# Altium PCB CRIB.PcbDoc (part 2 of 3) (continued)
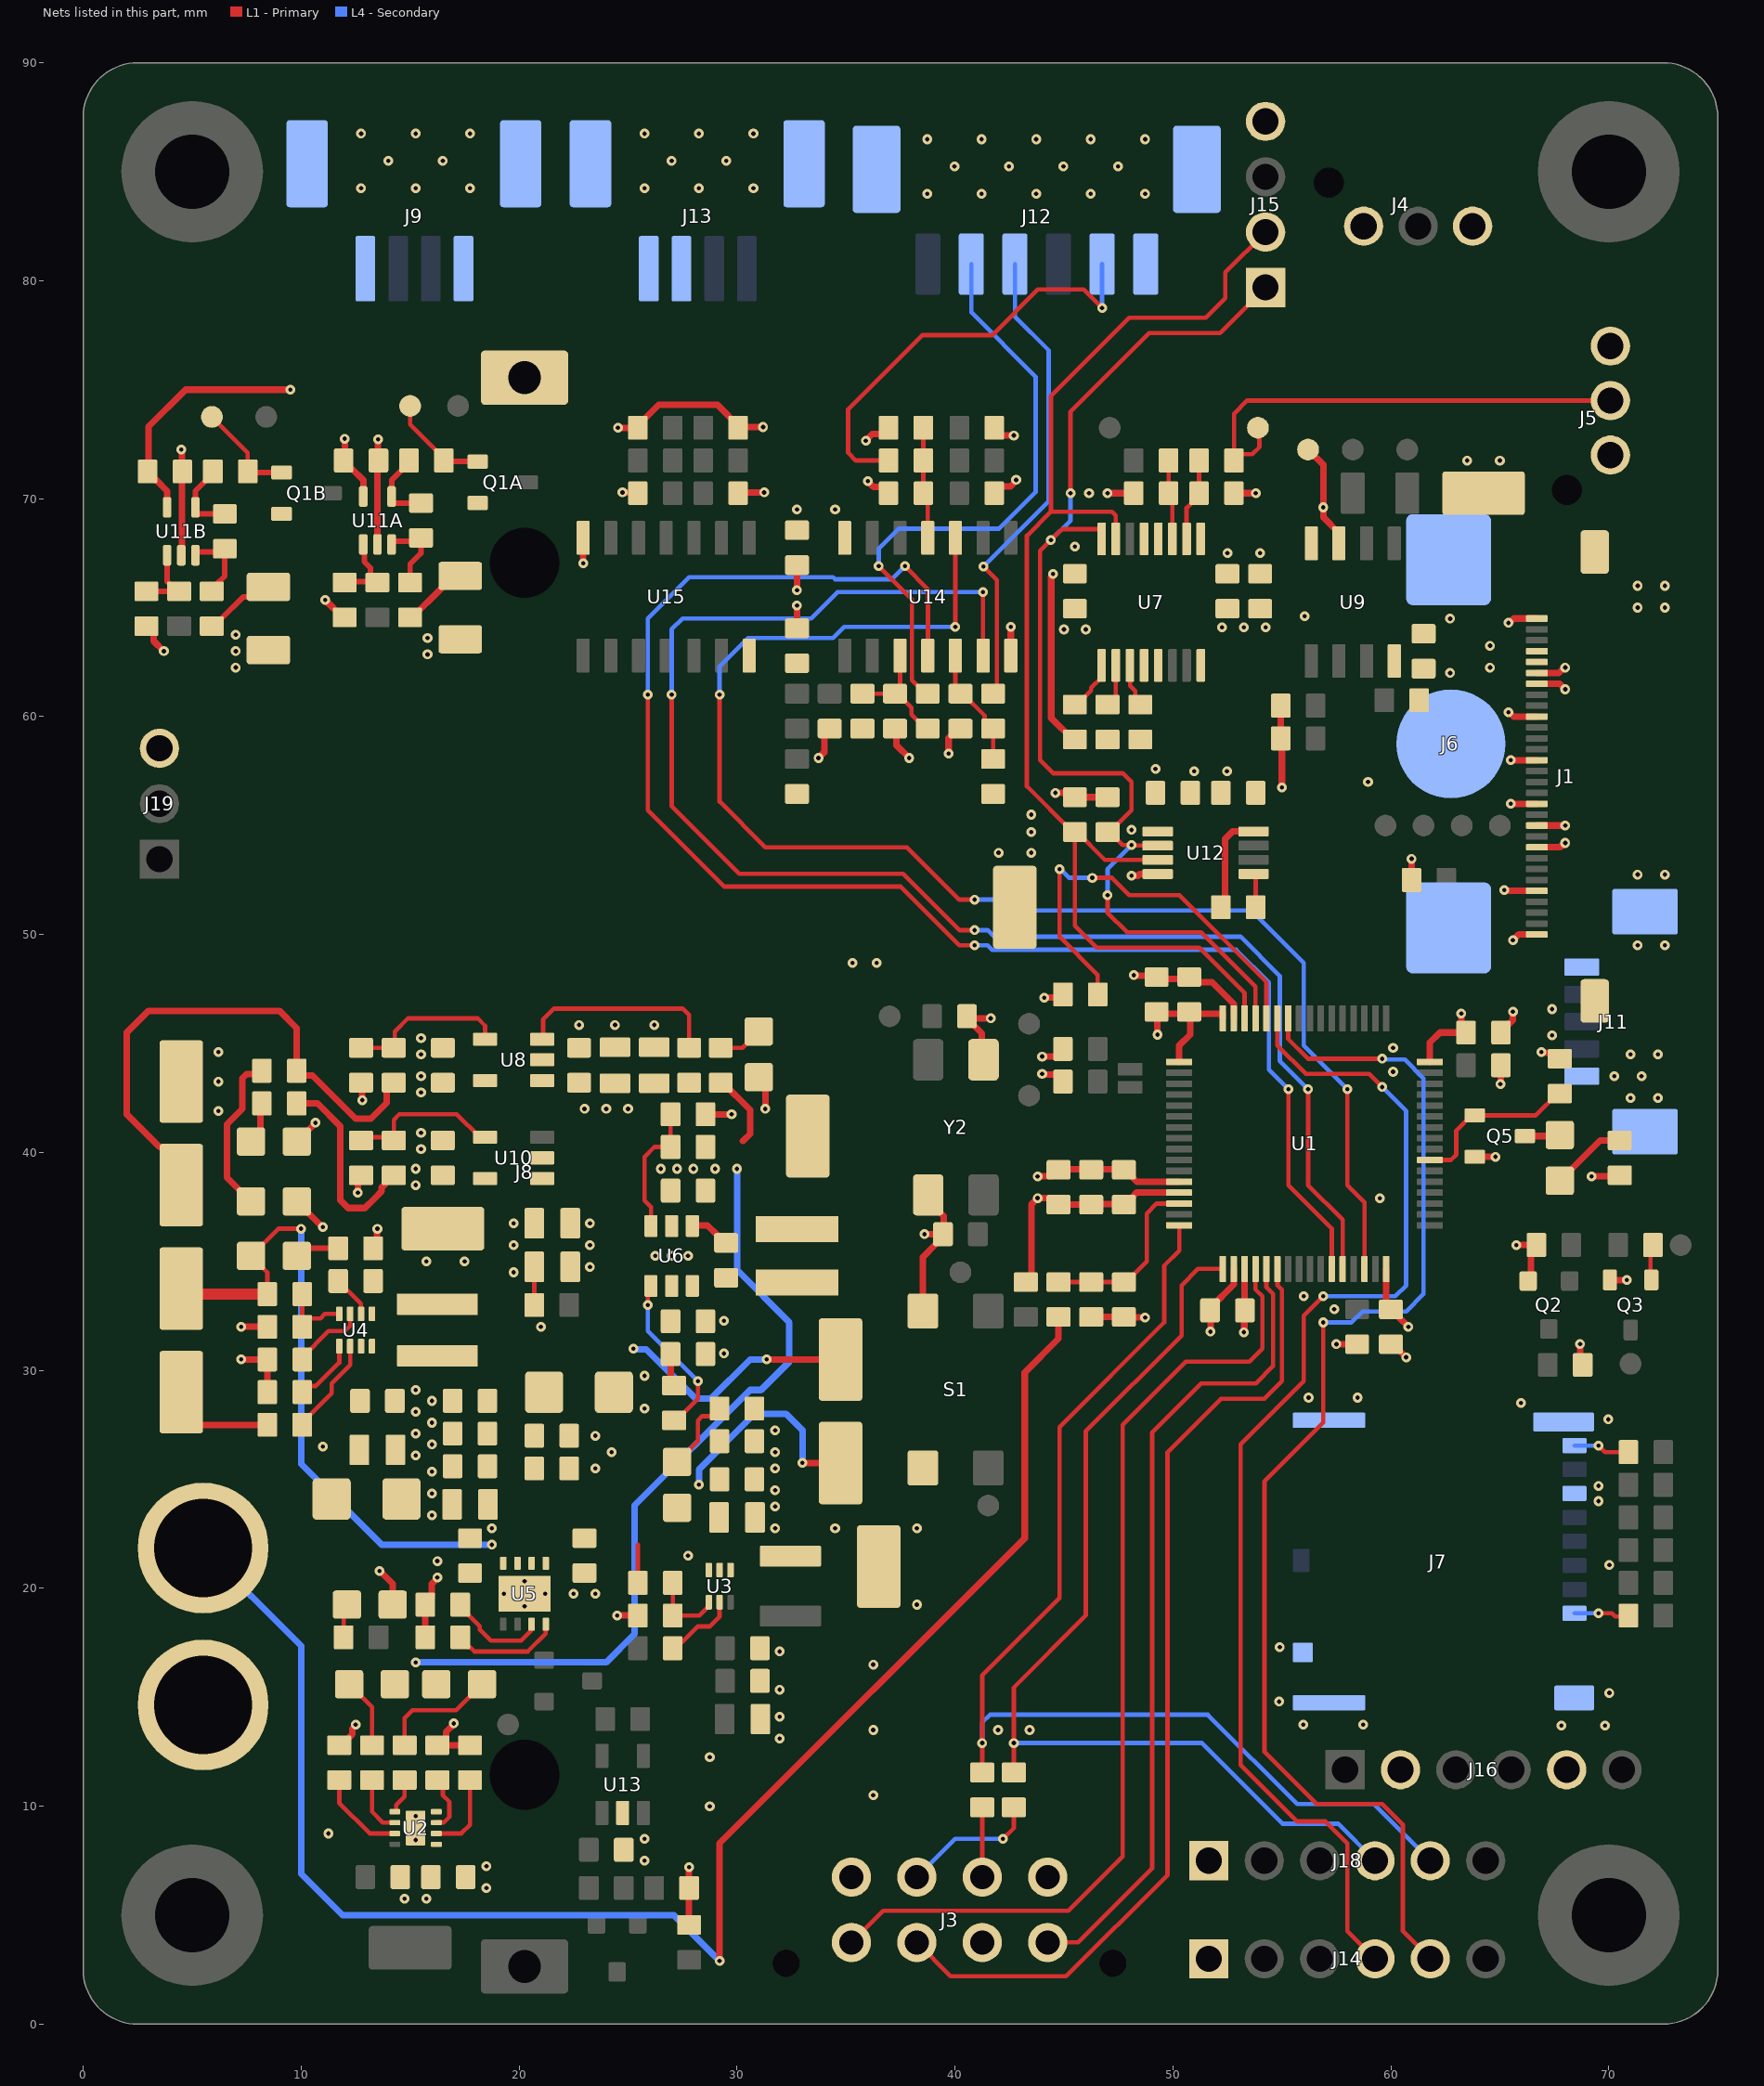
[diagram p4: the nets of this part, all layers, seen from the top]
## Nets (pads, with @x,y where several pads share a name; then routed paths per layer and width w, separated by ;. In a path a pad name is that pad's centre, name@x,y a point inside that pad or via, vN(x,y) a via of type N, cw(c..) or ccw(c..) an arc to the next point about the centre after c; other vN are vias at no path point) (continued)
  L4 - Secondary w0.3: v1(15.25,16.6) 24,16.6 25.3,17.9 25.3,23.8 30.6,29.1 31.1,29.1 32.4,30.4 32.4,32.2 30,34.6 v1(30,39.25)
  other v1: 28,39.25 29,39.25 43.5,54.7 43.5,55.5 49.2,57.6 32.75,69.5 34.5,69.5
3V3_BOOT: C26.1 U6.1 | length 1.9
  L1 - Primary w0.3: U6.1@27.85,36.65 28.65,36.65 29.1,36.2 29.1,36.15 29.175,36.075 C26.1@29.5,36.075
3V3_FB: R63.1 R64.2 U6.3 | length 6.2
  L1 - Primary w0.2: U6.3@26.05,36.625 26.05,37.5 25.75,37.8 25.75,39.8 26.2,40.25 R63.1@26.95,40.25 R64.2@26.95,41.75
3V3_SW: C26.2 L3.1 U6.6
3V3L: C37.2 C40.2 C58.2 R34.2 R38.2 R47.1 R50.2 R51.2 R57.1 TP7.1 U9.8 U10.5 U12.8 | length 17.6
  L1 - Primary w0.3: R47.1@9.8,42.25 10.75,42.25 11.8,41.2 11.8,37.812 12.162,37.45 12.927,37.45 13.346,37.869 13.346,37.872 13.7,38.226 13.7,38.4 13.85,38.55 13.85,38.65 14.15,38.95 R38.2@14.25,38.95 ; R57.1@52.2,51.25 52.4,51.45 52.4,54.4 52.725,54.725 U12.8@53.7,54.725 ; R51.2@54.95,60.5 R50.2@54.95,59 55,58.95 v1(55,56.75)
  other v1: 15.25,38.5 15.25,39.25 6.2,41.9 6.2,43.25 6.2,44.6 58.95,57 62.717,62
3V3L_FB: R37.2 R38.1 U10.4 | length 7
  L1 - Primary w0.2: R37.2@12.75,40.7 14.25,40.7 14.25,41.5 14.5,41.75 17.14,41.75 18.19,40.7 U10.4@18.44,40.7
5V0: C8.2 C9.2 C10.2 C20.2 LED4.1 R8.2 TP1.1 U3.6 U5.6 | length 11.8
  L1 - Primary w0.2: R8.2@25.45,20.25 25.45,22
  L1 - Primary w0.3: v1(33,25.75) TP1.1@34.75,25.75
  L4 - Secondary w0.3: v1(28.25,24.75) 28.25,25.45 30.8,28 32.25,28 33,27.25 v1(33,25.75)
5V0_FB: R8.1 R9.2 U3.1 | length 3.5
  L1 - Primary w0.2: R8.1@27.05,20.25 R9.2@27.05,18.75 28.275,18.75 28.7,19.175 U3.1@28.7,19.36
5V0_SW: L1.2 U3.5
5V0L: C29.2 C30.2 C36.2 J4.3 J5.3 R31.2 R48.2 TP6.1 U7.9 U7.12 U8.5 | length 25
  L1 - Primary w0.3: TP6.1@4.5,38.5 4.5,39.4 3.65,40.25 3.5,40.25 2,41.75 2,45.5 3,46.5 9,46.5 9.8,45.7 R48.2@9.8,43.75 10.024,43.526 10.524,43.526 12.5,41.55 13.2,41.55 13.917,42.267 13.917,42.9 14.217,43.2 R31.2@14.25,43.2
  other v1: 15.5,42.75 15.5,43.5 52.5,67.5 54,67.5
5V0L_FB: R31.1 R32.2 U8.4 | length 7.4
  L1 - Primary w0.2: R32.2@12.75,44.8 R31.1@14.25,44.8 14.3,44.85 14.3,45.55 14.9,46.15 18.1,46.15 18.44,45.81 U8.4@18.44,45.2
5V4: C1.2 C12.2 C13.2 C14.2 C15.2 C19.2 C38.2 C39.2 L2.2 LED3.1 LED5.1 R10.2 R35.1 TP2.1 U2.1 U5.8 U10.1 | length 33.6
  L1 - Primary w0.2: R10.2@8.45,33.5 8.45,34.5 LED3.1@7.7,35.25 8.95,36.5 v1(10,36.5) ; R35.1@20.7,33 C38.2@20.7,34.75
  L1 - Primary w0.3: v1(13.6,20.8) 14.2,20.2 LED5.1@14.2,19.25
  L1 - Primary w0.5: TP2.1@4.5,33.75 4.75,33.5 R10.2@8.45,33.5
  L4 - Secondary w0.3: v1(10,36.5) 10,25.7 13.7,22 v1(18.75,22)
  other v1: 18.5,6.25 18.5,7.25 18.75,22.75 19.75,34.5 19.75,35.75 19.75,36.75
5V4_BST: C7.2 U4.6 | length 2
  L1 - Primary w0.2: C7.2@11.7,34.1 11.7,34 12.05,33.65 12.15,33.65 12.74,33.06 12.74,32.6 U4.6@12.75,32.59
5V4_FB: R10.1 R11.2 U4.8 | length 3.5
  L1 - Primary w0.2: R10.1@10.05,33.5 R11.2@10.05,32 10.05,32.032 10.4,32.382 10.882,32.382 11.09,32.59 U4.8@11.75,32.59
5V4_RT: R13.2 U4.1 | length 3
  L1 - Primary w0.2: R13.2@10.05,29 10.333,29.283 10.683,29.283 11.75,30.35 U4.1@11.75,31.11
5V4_SS: C11.2 U4.7 | length 3.4
  L1 - Primary w0.2: C11.2@10.05,30.5 10.05,30.6 11.25,31.8 12,31.8 12.25,32.05 U4.7@12.25,32.59
5V4_SW: C7.1 L2.1 U4.5
5V_SYS: C21.2 C22.2 C23.2 C24.2 C25.2 C33.2 C34.2 C35.2 J1.26 J1.27 R22.1 R30.1 TP5.1 U5.7 U6.5 U8.1 | length 12.7
  L1 - Primary w0.3: C24.2@26.95,30.75 26.95,29.463 R22.1@27.113,29.3 ; v1(31.359,30.5) TP5.1@34.75,30.5
  L4 - Secondary w0.3: v1(25.25,31) 25.279,30.971 25.829,30.971 28.1,28.7 28.8,28.7 30.6,30.5 v1(31.359,30.5)
  other v1: 23,42 24,42 25,42 64.55,62.25 64.55,63.25
12V: C16.2 C17.2 C18.2 J2.1 J9.1 R12.1 R39.2 TP8.1 U4.3 | length 78.9
  L1 - Primary w0.3: TP8.1@4.25,29 4.25,28.35 5.1,27.5 R12.1@8.45,27.5 ; v1(29.2,2.9) 29.2,8.3 43.2,22.3 43.2,29.9 44.75,31.45 R39.2@44.75,32.45
  L4 - Secondary w0.3: J2.1@5.5,21.85 10,17.35 10,6.9 11.9,5 27.1,5 v1(29.2,2.9)
12V_DETECT: C59.2 R39.1 R40.2 U1.14 | length 8.2
  L1 - Primary w0.2: R39.1@44.75,34.05 C59.2@47.75,34.05 ; C59.2@47.85,34.05 48.8,35 48.8,37.2 49.254,37.654 U1.14@50.288,37.654
AIN0: C31.2 R28.2 U7.11 | length 3.7
  L1 - Primary w0.2: R28.2@49.8,71.75 C31.2@49.8,70.25 49.976,70.074 U7.11@49.976,68.15
AIN1: C32.2 R29.2 U7.10 | length 3.8
  L1 - Primary w0.2: U7.10@50.626,68.15 50.626,69.576 51.2,70.15 C32.2@51.2,70.25 R29.2@51.2,71.75
BC-MPR_UART.RX: J18.4 R17.1 U1.17 | length 46.5
  L1 - Primary w0.2: R17.1@42.7,11.55 42.7,15.45 46,18.75 46,27.2 50.4,31.6 50.4,33.9 51.154,34.654 U1.17@52.288,34.654
  L4 - Secondary w0.2: v1(42.7,12.9) 51.33,12.9 55.03,9.2 57.57,9.2 J18.4@59.27,7.5
BC-MPR_UART.TX: J18.5 R16.1 U1.16 | length 53.3
  L1 - Primary w0.2: R16.1@41.25,11.55 v1(41.25,12.9) 41.25,16 44.8,19.55 44.8,27.4 49.6,32.2 49.6,34.8 50.288,35.488 U1.16@50.288,36.654
  L4 - Secondary w0.2: v1(41.25,12.9) 41.25,13.85 41.6,14.2 51.6,14.2 55.7,10.1 59.21,10.1 J18.5@61.81,7.5
BOOT0: R53.2 U1.60 | length 19.8
  L1 - Primary w0.2: v1(44.8,53) 44.8,49.9 46.55,48.15 R53.2@46.55,47.25 ; v1(46.3,52.6) 47.2,52.6 48,51.8 50.3,51.8 54.288,47.812 U1.60@54.288,46.154
  L4 - Secondary w0.2: v1(44.8,53) 44.838,53 45.238,52.6 v1(46.3,52.6)
CENTRE_BTN: J12.5 R58A.1 | length 20.3
  L1 - Primary w0.2: R58A.1@36.95,71.75 35.45,71.75 35.1,72.1 35.1,74.1 38.5,77.5 41.7,77.5 43.8,79.6 45.9,79.6 v1(46.75,78.75)
  L4 - Secondary w0.2: v1(46.75,78.75) J12.5@46.75,80.761
CENTRE_BTN_DB: C60A.2 R58A.2 R62A.1 U14.11 | length 5.1
  L1 - Primary w0.2: R62A.1@38.55,73.25 C60A.2@38.55,70.25 38.75,70.05 U14.11@38.75,68.2
CENTRE_BTN_TRIG: U1.30 U14.10 | length 66.9
  L1 - Primary w0.2: v1(29.2,61) 29.2,56.1 31.3,54 37.8,54 40.2,51.6 v1(40.9,51.6) ; v1(40.013,64.11) U14.10@40.013,68.2 ; v1(58,42.9) 58,38.5 58.788,37.712 U1.30@58.788,34.654
  L4 - Secondary w0.2: v1(29.2,61) 29.2,62.3 30.5,63.6 34.4,63.6 34.91,64.11 v1(40.013,64.11) ; v1(40.9,51.6) 41.8,51.6 42.3,51.1 53.6,51.1 56,48.7 56,44.9 v1(58,42.9)
CHG_ISET: R2.2 U2.2 | length 3.8
  L1 - Primary w0.2: U2.2@16.2,8.75 17.35,8.75 17.75,9.15 R2.2@17.75,11.2
CHG_PG_n: R5.1 U2.6 | length 2.7
  L1 - Primary w0.2: R5.1@13.25,11.2 13.25,9.75 13.75,9.25 U2.6@14.3,9.25
CHG_STAT: R4.1 U2.5 | length 1.7
  L1 - Primary w0.2: U2.5@14.3,9.75 14.333,9.75 14.358,9.775 14.358,10.058 14.75,10.45 R4.1@14.75,11.2
CHG_TS: R1.2 U2.3 | length 2.6
  L1 - Primary w0.2: U2.3@16.2,9.25 16.211,9.26 16.56,9.26 16.8,9.5 16.8,10.2 16.5,10.5 16.5,10.95 R1.2@16.25,11.2
CHG_VSET: R3.2 U2.7 | length 4.2
  L1 - Primary w0.2: R3.2@11.75,11.2 11.75,10.15 13.15,8.75 U2.7@14.3,8.75
CRIB_DEBUG_RX: J14.4 U1.59 | length 55.7
  L1 - Primary w0.2: U1.59@54.788,46.154 54.788,44.912 56.1,43.6 59,43.6 v1(59.6,43) ; v1(56.9,33.4) 56,32.5 56,29.5 53.1,26.6 53.1,11.9 55.7,9.3 57,9.3 58,8.3 58,4.27 J14.4@59.27,3
  L4 - Secondary w0.2: v1(56.9,33.4) 60.2,33.4 60.7,33.9 60.7,41.9 v1(59.6,43)
CRIB_DEBUG_TX: J14.5 U1.58 | length 58.2
  L1 - Primary w0.2: U1.58@55.288,46.154 55.288,45.212 56.2,44.3 v1(59.6,44.3) ; v1(56.9,32.2) 56.9,27.6 54.2,24.9 54.2,12.5 56.6,10.1 59.6,10.1 60.55,9.15 60.55,4.26 J14.5@61.81,3
  L4 - Secondary w0.2: v1(56.9,32.2) 58.2,32.2 58.7,32.7 60.7,32.7 61.5,33.5 61.5,43.4 60.635,44.265 59.635,44.265 v1(59.6,44.3)
DOWN_BTN: J12.2 R58B.1 | length 27.6
  L1 - Primary w0.2: v1(36.5,66.9) 38.03,65.37 38.03,61.67 38.65,61.05 R58B.1@38.75,61.05
  L4 - Secondary w0.2: v1(36.5,66.9) 36.5,67.7 37.424,68.624 42.024,68.624 43.7,70.3 43.7,75.6 40.75,78.55 J12.2@40.75,80.761
DOWN_BTN_DB: C60B.2 R58B.2 R62B.1 U14.3 | length 5.7
  L1 - Primary w0.2: R62B.1@35.75,61.05 C60B.2@37.25,61.05 ; U14.3@37.48,62.8 37.48,61.28 C60B.2@37.25,61.05 ; R58B.2@38.75,59.45 38.65,59.45 38,60.1 38,60.4 37.35,61.05 C60B.2@37.25,61.05
DOWN_BTN_TRIG: U1.27 U14.4 | length 72.3
  L1 - Primary w0.2: v1(25.9,61) 25.9,55.7 29.4,52.2 37.5,52.2 40.2,49.5 v1(40.9,49.5) ; v1(37.7,66.9) 38.757,65.843 U14.4@38.757,62.8 ; v1(55.3,42.9) 55.3,38.5 57.288,36.512 U1.27@57.288,34.654
  L4 - Secondary w0.2: v1(25.9,61) 25.9,64.5 27.8,66.4 34.4,66.4 34.5,66.3 37.1,66.3 v1(37.7,66.9) ; v1(40.9,49.5) 41.5,49.5 41.7,49.3 52.9,49.3 54.4,47.8 54.4,43.8 v1(55.3,42.9)
GND: C1.1 C2.1 C4.1 C5.1 C6.1 C8.1 C9.1 C10.1 C11.1 C12.1 C13.1 C14.1 C15.1 C16.1 C17.1 C18.1 C19.1 C20.1 C21.1 C22.1 C23.1 C24.1 C25.1 C27.1 C28.1 C29.1 C30.1 C31.1 C32.1 C33.1 C34.1 C35.1 C36.1 C37.1 C38.1 C39.1 C40.1 C41.1 C43.1 C44.1 C45.1 C46.1 C47.1 C48.1 C49.1 C50.1 C51.1 C52.1 C53.1 C54.1 C55A.1 C55B.1 C57.1 C58.1 C59.1 C60A.1 C60B.1 C60C.1 C60D.1 C60E.1 C60F.1 C60G.1 C61.1 C62.1 C63.1 C64.1 C65.1 J1.0 J1.1 J1.5 J1.9 J1.11 J1.13 J1.17 J1.21 J1.24 J1.25 J1.30 J2.2 J3.1 J3.4 J3.6 J4.1 J5.1 J6.2 J7.6 J7.10 J8.2 J9.0 J9.4 J11.0 J11.5 J12.0 J12.6 J13.0 J13.1 J13.2 J14.1 J15.4 J16.2 J16.5 J18.1 J19.3 LED7.2 LED8.2 LED9.2 Q3.2 Q5.2 R1.1 R2.1 R3.1 R9.1 R11.1 R13.1 R14.1 R15.1 R18.1 R19.1 R32.1 R37.1 R40.1 R42A.1 R42B.1 R45A.1 R45B.1 R53.1 R55.1 R61.1 R64.1 R65.1 S1.3 S1.4 TP24.1 TP25.1 TP26.1 TP27.1 U1.12 U1.18 U1.63 U2.4 U2.9 U3.4 U4.4 U5.5 U5.9 U6.2 U7.4 U7.5 U7.8 U8.2 U9.4 U10.2 U11A.2 U11B.2 U12.4 U13.2 U14.7 U15.7 Y2.2 Y2.4 | length 105.8
  L1 - Primary w0.3: R42B.1@2.9,64.15 2.923,64.15 3.223,63.85 3.223,63.477 v1(3.7,63) ; U11B.2@4.5,67.4 4.525,67.425 4.525,71.225 C55B.1@4.55,71.25 4.5,71.3 4.525,71.325 4.525,72.225 v1(4.5,72.25) ; v1(7.25,30.5) C11.1@8.45,30.5 R13.1@8.45,29 ; v1(7.25,32) R11.1@8.45,32 ; LED9.2@9.8,37.75 10.971,36.579 v1(10.997,36.579) ; LED8.2@9.8,40.5 v1(10.661,41.361) ; v1(11.1,65.35) 11.9,64.55 R42A.1@12,64.55 ; R3.1@12,12.8 12,12.95 12.348,13.298 12.348,13.558 12.5,13.709 v1(12.5,13.75) ; v1(12.6,38.15) 12.6,38.8 R37.1@12.75,38.95 ; R32.1@12.75,43.2 12.8,43.15 v1(12.8,42.4) ; R14.1@13.3,35.6 13.471,35.771 13.471,36.471 v1(13.5,36.5) ; U11A.2@13.5,67.9 13.5,71.7 C55A.1@13.55,71.75 13.5,71.8 13.525,71.825 v1(13.525,72.725) v1@13.5,72.75 ; R18.1@15.7,17.75 R19.1@15.7,19.25 16,19.55 16,20.209 16.25,20.459 v1(16.25,20.5) ; R1.1@16.25,12.8 R1.1@16.35,12.8 ; v1(17,13.8) 17,13.759 16.65,13.409 16.65,13.1 R1.1@16.35,12.8 ; R2.1@18,12.8 R2.1@17.75,12.8 R1.1@16.35,12.8 ; U15.7@22.935,68.234 22.94,68.229 22.94,67.039 v1(22.945,67.034) ; v1(24.5,18.75) R9.1@25.45,18.75 ; v1(24.745,70.284) C60D.1@25.695,70.284 ; R65.1@27.8,4.55 R61.1@27.8,6.25 v1(27.8,7.2) ; R64.1@28.55,41.75 v1(29.75,41.75) ; C60G.1@30.295,70.284 v1(31.245,70.284) ; LED7.2@31,43.45 31.3,43.15 v1(31.3,42) ; C62.1@32.75,64.05 v1(32.75,65.1) ; v1(32.75,65.8) C61.1@32.75,66.95 ; v1(33.735,58.1) 34,58.365 34,59.15 34.31,59.46 C60F.1@34.357,59.46 ; v1(36,70.8) 36.258,70.542 36.758,70.542 C60A.1@36.94,70.36 ; C60B.1@37.25,59.45 37.315,59.385 37.315,58.685 v1(37.9,58.1) ; S1.4@38.526,32.72 38.526,35.192 39.15,35.816 39.15,35.85 39.454,36.154 C52.1@39.488,36.154 ; v1(38.6,36.25) 39.393,36.25 C52.1@39.488,36.154 ; Y2.4@38.768,38.054 38.768,37.8 39.488,37.08 C52.1@39.488,36.154 ; v1(39.707,58.3) 39.707,59.007 40.16,59.46 C60C.1@40.257,59.46 ; Y2.2@41.308,44.254 41.224,44.339 41.224,45.476 40.588,46.112 40.588,46.154 v1@41.538,46.154 ; C60E.1@41.807,70.36 42.011,70.563 42.556,70.563 42.778,70.786 42.778,70.831 v1(42.807,70.86) ; v1(42.557,64.11) 42.562,64.105 42.562,62.915 U14.7@42.567,62.91 ; v1(43.788,38.904) 44.45,38.904 C48.1@44.75,39.204 ; v1(44,43.6) 44.02,43.58 44.65,43.58 44.988,43.242 C54.1@44.988,43.154 ; v1(44,44.4) 44.734,44.4 C53.1@44.988,44.654 ; v1(44.1,47.1) 44.8,47.1 R53.1@44.95,47.25 ; C48.1@44.75,39.229 47.513,39.229 47.538,39.254 47.8,39.254 48.15,38.904 48.15,38.85 48.346,38.654 U1.12@50.288,38.654 ; R40.1@46.25,32.45 C59.1@47.75,32.45 47.788,32.45 47.813,32.425 v1(48.725,32.425) ; v1(47,70.25) 47.95,70.25 C31.1@48.2,70.5 ; v1(48.1,52.7) 48.4,52.7 48.475,52.775 U12.4@49.3,52.775 ; v1(48.2,48.135) 48.229,48.106 49.136,48.106 49.288,47.954 50.788,47.954 50.937,47.805 51.788,47.805 52.788,46.806 U1.63@52.788,46.154 ; v1(51.725,31.775) 51.725,32.891 51.741,32.891 52.788,33.938 U1.18@52.788,34.654 ; C32.1@52.8,70.25 v1(53.8,70.25) 53.809,70.25 v1@53.859,70.2 ; v1(57.5,31.2) C64.1@58.45,31.2 ; C46.1@60,31.2 60.1,31.2 v1(60.7,30.6) ; Q5.2@63.85,39.8 v1(64.8,39.8) ; v1(65.025,43.135) 65.037,43.148 65.037,43.987 C65.1@65.05,44 ; C45.1@65.05,45.5 65.05,45.6 65.35,45.9 65.424,45.9 65.6,46.076 v1(65.6,46.465) ; v1(65.2,52.035) 65.241,52.035 65.276,52 66.45,52 J1.5@66.7,52 ; v1(65.4,60.2) 65.441,60.2 65.641,60 66.45,60 J1.21@66.7,60 ; v1(65.4,64.3) 65.441,64.3 65.641,64.5 66.45,64.5 J1.30@66.7,64.5 ; v1(65.5,56) 66.175,56 66.45,56 J1.13@66.7,56 ; v1(65.5,58) 66.175,58 66.45,58 J1.17@66.7,58 ; v1(65.6,49.735) 65.865,50 66.45,50 J1.1@66.7,50 ; J1.9@66.7,54 67.759,54 67.959,54.2 v1(68,54.2) ; J1.11@66.7,55 v1(68,55) ; J1.24@66.7,61.5 67.75,61.5 v1(68,61.25) ; J1.25@66.7,62 67.709,62 67.959,62.25 v1(68,62.25) ; v1(66.9,44.6) 66.929,44.571 67.479,44.571 R55.1@67.75,44.3 ; v1(68.681,31.206) 68.681,30.256 C41.1@68.731,30.206 ; Q3.2@70.006,34.144 v1(70.828,34.144)
  other v1: 14.75,5.75 15.75,5.75 25.75,7.5 15.25,8.45 25.75,8.5 11.25,8.75 15.25,9.55 28.75,10 36.25,10.5 28.75,12.25 31.95,13.1 36.25,13.5 41.975,13.5 43.425,13.5 67.825,13.7 69.825,13.7 55.975,13.75 58.725,13.75 31.95,14.1 54.875,14.8 70.025,15.2 31.95,15.35 36.25,16.5 31.95,17.1 54.9,17.3 20.25,19.175 38.25,19.25 19.3,19.75 21.2,19.75 22.5,19.75 23.5,19.75 20.25,20.325 70.025,21.075 16.25,21.25 27.75,21.5 31.75,22.75 34.5,22.75 38.25,22.75 16,23.35 31.75,23.75 69.525,24 16,24.35 31.75,24.5 69.525,24.7 16,25.35 23.5,25.5 31.75,25.5 15.25,26.1 24.25,26.25 31.75,26.25 11,26.5 16,26.6 23.5,27 15.25,27.1 31.75,27.25 16,27.6 69.975,27.75 15.25,28.1 25.75,28.25 65.975,28.5 16,28.6 56.225,28.75 58.475,28.75 15.25,29.1 25.75,29.75 29.4,30.775 21,32 29.4,32.275 57.4,32.8 56,33.4 23.25,34.75 15.75,35 17.5,35 26.25,35.25 27,35.25 27.75,35.25 23.25,35.75 23.25,36.75 59.5,37.9 26.5,39.25 27.25,39.25 15.5,40.15 15.5,40.9 71,42.5 72.25,42.5 70.25,43.5 71.5,43.5 60.1,43.7 15.5,44.5 71,44.5 72.25,44.5 60.1,44.8 15.5,45.25 67.4,45.375 22.75,45.85 24.4,45.85 26.2,45.85 41.638,46.154 67.4,46.575 35.3,48.7 36.4,48.7 71.322,49.5 72.572,49.5 71.322,52.75 72.572,52.75 42,53.75 43.5,53.75 48.1,54.8 50.979,57.497 52.479,57.497 7,62.25 15.8,62.85 7,63 15.8,63.6 7,63.75 45,64 46,64 52.25,64.1 53.25,64.1 54.25,64.1 62.717,64.49 56.05,64.6 71.322,65 72.572,65 71.322,66 72.572,66 45.5,67.8 46.15,70.25 63.5,71.75 65,71.75 38.725,83.991 41.225,83.991 43.725,83.991 46.225,83.991 48.725,83.991 12.75,84.25 15.25,84.25 17.75,84.25 25.75,84.25 28.25,84.25 30.75,84.25 39.975,85.241 42.475,85.241 44.975,85.241 47.475,85.241 14,85.5 16.5,85.5 27,85.5 29.5,85.5 38.725,86.491 41.225,86.491 43.725,86.491 46.225,86.491 48.725,86.491 12.75,86.75 15.25,86.75 17.75,86.75 25.75,86.75 28.25,86.75 30.75,86.75
I2C.SCL: J15.1 R23.1 U1.61 U7.16 U12.2 | length 53.9
  L1 - Primary w0.2: v1(45.3,70.25) 45.3,74 48.9,77.6 52.16,77.6 J15.1@54.25,79.69 ; U7.16@46.726,68.15 46.726,68.5 46.626,68.6 44.9,68.6 v1(44.4,68.1) 43.9,67.6 43.9,58 44.5,57.4 47.7,57.4 48.1,57 48.1,55.7 R23.1@47.1,54.7 ; v1(47,51.8) 47,51 47.9,50.1 51.3,50.1 53.788,47.612 U1.61@53.788,46.154 ; R23.1@47,54.7 R23.1@47.1,54.7 ; U12.2@49.3,54.075 49.287,54.087 48.113,54.087 v1(48.1,54.1) 47.7,54.1 R23.1@47.1,54.7
  L4 - Secondary w0.2: v1(44.4,68.1) 45.3,69 v1(45.3,70.25) ; v1(47,51.8) 47,53 v1(48.1,54.1)
I2C.SDA: J15.2 R24.1 U1.62 U7.15 U12.3 | length 58
  L1 - Primary w0.2: R24.1@45.6,54.7 46.875,53.425 U12.3@49.3,53.425 ; U7.15@47.376,68.15 47.376,69.224 47.2,69.4 44.4,69.4 ; U1.62@53.288,46.154 53.288,47.312 51.2,49.4 46.5,49.4 45.5,50.4 R24.1@45.5,54.7 45.4,54.7 43.3,56.8 43.3,68.3 44.4,69.4 ; J15.2@54.25,82.23 52.4,80.38 52.4,79.2 51.5,78.3 48,78.3 44.4,74.7 44.4,69.4
I2C_BUF_EN: R57.2 U12.5 | length 1.6
  L1 - Primary w0.2: U12.5@53.7,52.775 53.8,52.675 R57.2@53.8,51.25
LED_DRIVE_CSA: Q1A.2 R44A.2 R45A.2 | length 3.3
  L1 - Primary w0.3: R44A.2@15,64.55 15.1,64.55 16.45,65.9 16.45,65.95 16.95,66.45 R45A.2@17.5,66.45
LED_DRIVE_CSB: Q1B.2 R44B.2 R45B.2 | length 3.3
  L1 - Primary w0.254: R44B.2@5.9,64.15 6,64.15 6.323,64.473 7.348,65.498 8.048,65.498 R45B.2@8.5,65.95
LED_DRIVE_FBA: C56A.1 R44A.1 U11A.3 | length 3.8
  L1 - Primary w0.254: U11A.3@14.15,67.9 14.15,68 14.2,68.05 15.35,68.05 C56A.1@15.5,68.2 15.5,67.5 15,67 R44A.1@15,66.15
LED_DRIVE_FBB: C56B.1 R44B.1 U11B.3 | length 3.4
  L1 - Primary w0.254: U11B.3@5.15,67.4 5.15,67.5 5.2,67.55 6.35,67.55 C56B.1@6.5,67.7 6.5,66.45 6.1,66.05 R44B.1@6,66.05
LED_DRIVE_GA: Q1A.1 R43A.2 TP22A.1 | length 4.7
  L1 - Primary w0.2: TP22A.1@15,74.25 15,73.4 16.55,71.85 R43A.2@16.55,71.75
  L1 - Primary w0.254: R43A.2@16.55,71.75 16.6,71.7 Q1A.1@18.1,71.7
LED_DRIVE_GB: Q1B.1 R43B.2 TP22B.1 | length 4.8
  L1 - Primary w0.2: TP22B.1@5.9,73.75 7.55,72.1 R43B.2@7.55,71.25
  L1 - Primary w0.254: R43B.2@7.55,71.25 7.6,71.2 Q1B.1@9.1,71.2
LED_DRIVE_OUTA: C56A.2 R43A.1 U11A.4 | length 3.6
  L1 - Primary w0.254: R43A.1@14.95,71.75 14.95,71.65 14.15,70.85 U11A.4@14.15,70.1 14.15,69.873 14.223,69.8 C56A.2@15.5,69.8
LED_DRIVE_OUTB: C56B.2 R43B.1 U11B.4 | length 3.6
  L1 - Primary w0.254: R43B.1@5.95,71.25 5.95,71.15 5.15,70.35 U11B.4@5.15,69.6 5.15,69.373 5.223,69.3 C56B.2@6.5,69.3
LED_DRIVE_VREFA: R41A.2 R42A.2 U11A.1 | length 3.5
  L1 - Primary w0.254: R42A.2@11.98,66.2 R41A.2@13.5,66.2 ; U11A.1@12.85,67.9 12.9,67.85 12.9,67.1 13.179,66.821 13.179,66.471 R41A.2@13.5,66.15
LED_DRIVE_VREFB: R41B.2 R42B.2 U11B.1 | length 3.3
  L1 - Primary w0.254: R42B.2@2.9,65.75 R41B.2@4.3,65.75 ; U11B.1@3.85,67.4 3.85,66.2 R41B.2@4.3,65.75 ; R41B.2@4.4,65.75 R41B.2@4.3,65.75
LEFT_BTN: J12.3 R58C.1 | length 21.9
  L1 - Primary w0.2: v1(41.3,66.89) 41.925,66.265 41.925,61.225 R58C.1@41.75,61.05
  L4 - Secondary w0.2: v1(41.3,66.89) 44.3,69.89 44.3,76.8 42.75,78.35 J12.3@42.75,80.761
LEFT_BTN_DB: C60C.2 R58C.2 R62C.1 U14.5 | length 5.5
  L1 - Primary w0.2: U14.5@40.02,62.8 40.02,61.28 C60C.2@40.25,61.05 40.35,61.05 41.358,60.042 41.358,59.8 41.708,59.45 R58C.2@41.75,59.45 R62C.1@41.75,58.05
LEFT_BTN_TRIG: U1.28 U14.6 | length 71.8
  L1 - Primary w0.2: v1(27,61) 27,55.9 30.11,52.79 37.61,52.79 40.2,50.2 v1(40.9,50.2) ; v1(41.289,65.71) 41.289,62.801 U14.6@41.29,62.8 ; v1(56.2,42.9) 56.2,38.5 57.788,36.912 U1.28@57.788,34.654
  L4 - Secondary w0.2: v1(27,61) 27,64 27.5,64.5 33.4,64.5 34.61,65.71 v1(41.289,65.71) ; v1(40.9,50.2) 41.5,50.2 41.8,49.9 53.1,49.9 54.9,48.1 54.9,44.2 v1(56.2,42.9)
LEFT_THROTTLE: J5.2 R29.1 TP11.1 | length 22
  L1 - Primary w0.2: TP11.1@53.9,73.25 53.967,73.183 53.967,72.367 53.633,72.033 53.083,72.033 R29.1@52.8,71.75 52.8,73.9 53.4,74.5 J5.2@70.075,74.5
MCU_HB: Q5.1 R55.2 U1.39 | length 7.9
  L1 - Primary w0.2: U1.39@61.788,39.654 62.754,39.654 63,39.9 63,41 63.7,41.7 Q5.1@63.85,41.7 66.65,41.7 67.65,42.7 R55.2@67.75,42.7
MOTOR_BRAKE: J3.5 U1.21 | length 37.6
  L1 - Primary w0.2: J3.5@44.25,3.75 45.65,3.75 49.044,7.144 49.044,27.144 51.3,29.4 53.8,29.4 54.6,30.2 54.6,33.5 54.288,33.812 U1.21@54.288,34.654
MOTOR_DIR: J3.7 U1.22 | length 45.3
  L1 - Primary w0.2: J3.7@38.25,3.75 39.8,2.2 45.1,2.2 49.751,6.851 49.751,26.251 52.2,28.7 54.2,28.7 55,29.5 55,33.7 54.8,33.9 54.8,34.642 U1.22@54.788,34.654
MOTOR_THROTTLE: J3.8 U1.20 | length 45.5
  L1 - Primary w0.2: J3.8@35.25,3.75 36.7,5.2 45.2,5.2 47.7,7.7 47.7,27.5 50.6,30.4 53.5,30.4 54.1,31 54.1,33.4 53.788,33.712 U1.20@53.788,34.654
NetJ3_2: J3.2 R16.2 | length 3.2
  L1 - Primary w0.2: J3.2@41.25,6.75 R16.2@41.25,9.95
NetJ3_3: J3.3 R17.2 | length 6.3
  L1 - Primary w0.2: v1(42.2,8.5) 42.7,9 R17.2@42.7,9.95
  L4 - Secondary w0.2: J3.3@38.25,6.75 40,8.5 v1(42.2,8.5)
NetJ7_1: J7.1 R67.2 | length 2.9
  L1 - Primary w0.2: v1(69.525,18.85) 70.15,18.85 70.3,18.7 71.15,18.7 R67.2@71.2,18.75
  L4 - Secondary w0.2: J7.1@68.425,18.85 v1(69.525,18.85)
NetJ7_8: J7.8 R66.2 | length 2.9
  L1 - Primary w0.2: v1(69.525,26.55) 69.825,26.25 R66.2@70.9,26.25 R66.2@71.2,26.25
  L4 - Secondary w0.2: J7.8@68.425,26.55 v1(69.525,26.55)
NetLED1_2: LED1.2 R4.2 | length 5.4
  L1 - Primary w0.2: R4.2@14.75,12.8 14.75,14.05 15.1,14.4 17.1,14.4 LED1.2@18.3,15.6
NetLED2_2: LED2.2 R5.2 | length 3.2
  L1 - Primary w0.2: LED2.2@12.2,15.6 13.25,14.55 R5.2@13.25,12.8
NetLED3_2: LED3.2 R14.2 | length 2
  L1 - Primary w0.254: LED3.2@9.8,35.25 10.15,35.6 R14.2@11.7,35.6
NetLED4_2: LED4.2 R15.2 | length 3.5
  L1 - Primary w0.2: LED4.2@27.25,25.8 28.2,26.75 28.2,27.7 28.4,27.9 28.85,27.9 R15.2@29.2,28.25
NetLED5_2: LED5.2 R21.2 | length 1.6
  L1 - Primary w0.2: R21.2@11.95,17.75 11.956,17.756 11.956,19.106 LED5.2@12.1,19.25
NetLED6_1: LED6.1 R54.1 | length 3.5
  L1 - Primary w0.3: LED6.1@67.75,38.7 69.6,40.55 R54.1@70.5,40.55
NetLED6_2: LED6.2 Q5.3 | length 1.6
  L1 - Primary w0.3: Q5.3@66.15,40.75 67.7,40.75 LED6.2@67.75,40.8
NetLED7_1: LED7.1 R46.1 | length 2.1
  L1 - Primary w0.2: R46.1@29.25,44.8 30.25,44.8 LED7.1@31,45.55
NetLED8_1: LED8.1 R47.2 | length 2
  L1 - Primary w0.3: LED8.1@7.7,40.5 8.135,40.935 8.135,42.185 R47.2@8.2,42.25
NetLED9_1: LED9.1 R48.1 | length 7.4
  L1 - Primary w0.3: LED9.1@7.7,37.75 6.6,38.85 6.6,41.3 7.3,42 7.3,43.4 7.5,43.6 8.05,43.6 R48.1@8.2,43.75
NetQ3_1: Q3.1 R56.2 | length 1.4
  L1 - Primary w0.2: Q3.1@71.906,34.294 R56.2@71.906,35.714
NetR6_2: R6.2 U3.2 | length 3.6
  L1 - Primary w0.2: R6.2@27.05,17 27.05,17.1 28.2,18.25 28.75,18.25 29.2,18.7 U3.2@29.2,19.36
NetR12_2: R12.2 U4.2 | length 4.5
  L1 - Primary w0.2: R12.2@10.05,27.5 10.05,27.6 11.4,28.95 11.4,29.4 12.25,30.25 U4.2@12.25,31.11
NetR18_2: R18.2 U5.4 | length 5
  L1 - Primary w0.2: R18.2@17.3,17.75 17.3,17.65 17.65,17.3 17.75,17.3 17.95,17.1 20.4,17.1 21.215,17.915 21.215,18.34 U5.4@21.225,18.35
NetR19_2: R19.2 U5.3 | length 4.6
  L1 - Primary w0.2: R19.2@17.3,19.25 17.3,19.15 18.2,18.25 18.2,18.1 18.7,17.6 20.1,17.6 20.525,18.025 20.525,18.3 U5.3@20.575,18.35
NetR22_2: R22.2 U6.4 | length 7.7
  L1 - Primary w0.2: v1(25.9,33) 25.9,33.725 U6.4@26.05,33.875 ; R22.2@27.113,27.7 27.213,27.7 28.2,28.687 v1(28.2,29.5)
  L4 - Secondary w0.2: v1(25.9,33) 25.9,31.8 v1(28.2,29.5)
NetR25_2: R25.2 U7.1 | length 2.4
  L1 - Primary w0.2: R25.2@45.5,60.55 45.6,60.55 46.25,61.2 46.25,61.324 46.726,61.8 U7.1@46.726,62.35
NetR26_2: R26.2 U7.2 | length 2
  L1 - Primary w0.2: R26.2@47,60.55 47.026,60.55 47.376,60.9 U7.2@47.376,62.35
NetR27_2: R27.2 U7.3 | length 2
  L1 - Primary w0.2: U7.3@48.026,62.35 48.033,62.342 48.033,61.417 48.267,61.183 48.267,60.783 R27.2@48.5,60.55
NetR30_2: R30.2 U8.3 | length 9.4
  L1 - Primary w0.2: U8.3@21.06,45.2 21.1,45.24 21.1,46.1 21.6,46.6 27.5,46.6 27.8,46.3 R30.2@27.8,44.8